# KiCad board sizif512.kicad_pcb
title: ZX-SIZIF-512; date: 2022-01-22; rev: E; company: Eugene Lozovoy
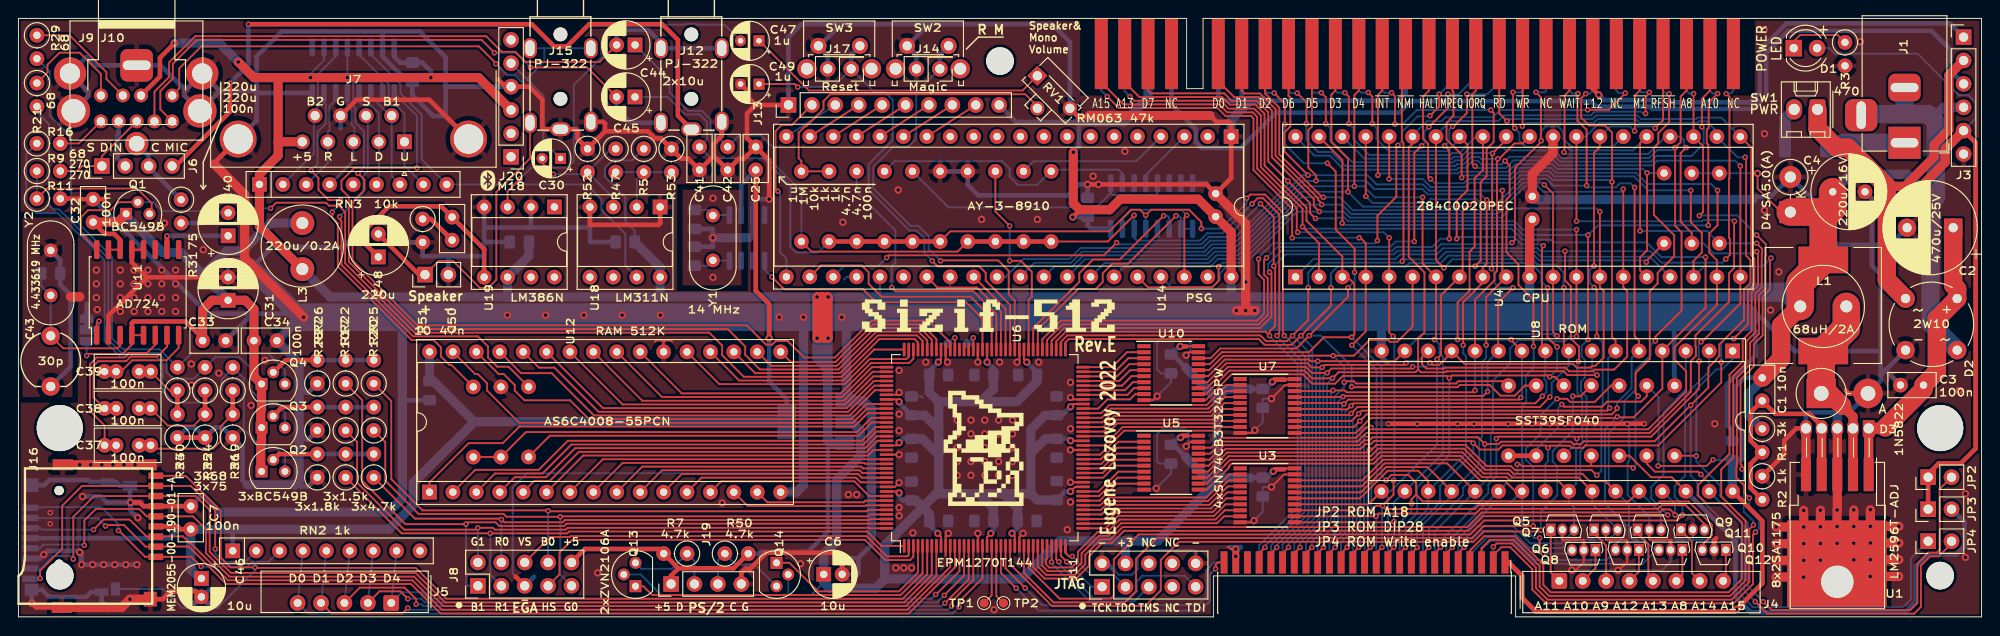
[diagram p0: board, top side]
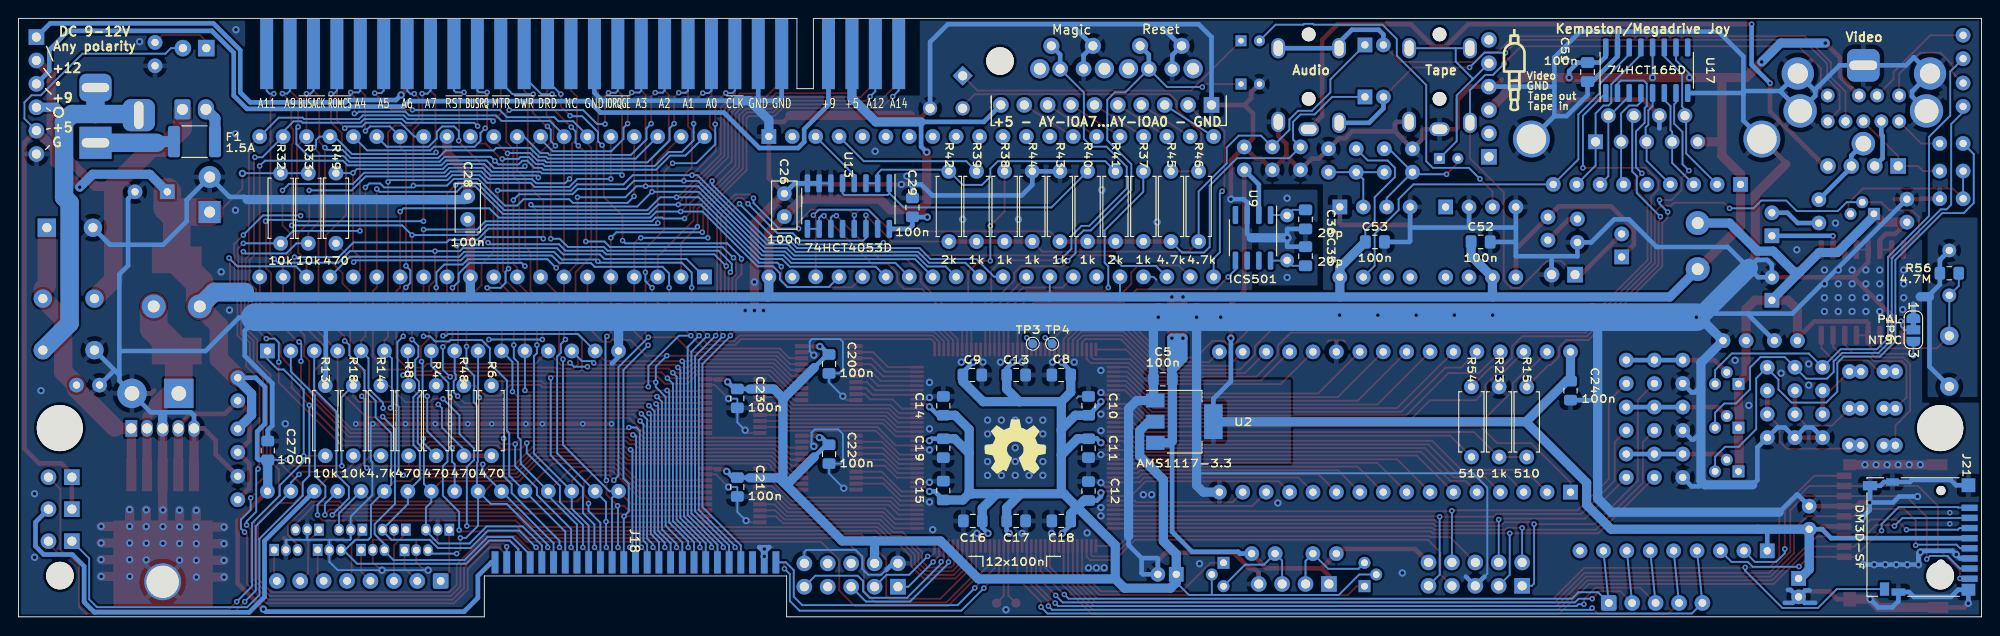
[diagram p1: board, bottom side, seen from below]

Outline 213 x 65 mm; copper layers: Top, Bottom. Coordinates in mm from the lower left corner of the outline.
Outline path: 0,65 126.75,65 126.75,57.37 128.53,57.37 128.53,65 213,65 213,0 162.45,0 162.45,4.45 129.65,4.45 129.65,0 0,0 0,65
Stack: Top 0.035mm / dielectric 1.51mm FR4 er 4.5 / Bottom 0.035mm

## Placement (name value [footprint] x y rotation side)
C1  10n  [C_Disc_D5.0mm_W2.5mm_P2.50mm]  189.2 25.97 270 top
C2  470u/25V  [CP_Radial_D10.0mm_P5.00mm]  209.92 42.27 180 top
C3  100n  [C_Disc_D5.0mm_W2.5mm_P2.50mm]  206.7 25.17 180 top
C4  220u/16V  [CP_Radial_D8.0mm_P3.50mm]  196.85 46.17 0 top
C5  100n  [C_0805_2012Metric_Pad1.15x1.40mm_HandSolder]  88.83 25.8 180 bottom
C6  10u  [CP_Radial_D5.0mm_P2.00mm]  87.38 4.62 0 top
C7  100n  [C_Disc_D5.0mm_W2.5mm_P2.50mm]  18.7 12.02 270 top
C8  100n  [C_0805_2012Metric_Pad1.15x1.40mm_HandSolder]  99.85 26.27 0 bottom
C9  100n  [C_0805_2012Metric_Pad1.15x1.40mm_HandSolder]  109.5 26.27 180 bottom
C10  100n  [C_0805_2012Metric_Pad1.15x1.40mm_HandSolder]  96.9 22.92 90 bottom
C11  100n  [C_0805_2012Metric_Pad1.15x1.40mm_HandSolder]  96.9 18.32 270 bottom
C12  100n  [C_0805_2012Metric_Pad1.15x1.40mm_HandSolder]  96.9 13.67 90 bottom
C13  100n  [C_0805_2012Metric_Pad1.15x1.40mm_HandSolder]  104.75 26.27 180 bottom
C14  100n  [C_0805_2012Metric_Pad1.15x1.40mm_HandSolder]  112.65 22.92 90 bottom
C15  100n  [C_0805_2012Metric_Pad1.15x1.40mm_HandSolder]  112.65 13.72 90 bottom
C16  100n  [C_0805_2012Metric_Pad1.15x1.40mm_HandSolder]  109.45 10.42 0 bottom
C17  100n  [C_0805_2012Metric_Pad1.15x1.40mm_HandSolder]  104.75 10.42 180 bottom
C18  100n  [C_0805_2012Metric_Pad1.15x1.40mm_HandSolder]  99.85 10.42 0 bottom
C19  100n  [C_0805_2012Metric_Pad1.15x1.40mm_HandSolder]  112.65 18.32 270 bottom
C20  100n  [C_0805_2012Metric_Pad1.15x1.40mm_HandSolder]  125.05 27.47 270 bottom
C21  100n  [C_0805_2012Metric_Pad1.15x1.40mm_HandSolder]  135 14.1 270 bottom
C22  100n  [C_0805_2012Metric_Pad1.15x1.40mm_HandSolder]  125.05 17.67 270 bottom
C23  100n  [C_0805_2012Metric_Pad1.15x1.40mm_HandSolder]  135 23.73 270 bottom
C24  100n  [C_0805_2012Metric_Pad1.15x1.40mm_HandSolder]  44.6 24.57 90 bottom
C25  100n  [C_Disc_D5.0mm_W2.5mm_P2.50mm]  80 51.04 270 top
C26  100n  [C_Disc_D5.0mm_W2.5mm_P2.50mm]  129.9 45.97 270 bottom
C27  100n  [C_0805_2012Metric_Pad1.15x1.40mm_HandSolder]  185.95 18.07 270 bottom
C28  100n  [C_Disc_D5.0mm_W2.5mm_P2.50mm]  164.25 45.67 270 bottom
C29  100n  [C_0805_2012Metric_Pad1.15x1.40mm_HandSolder]  116 44.47 270 bottom
C30  1u  [CP_Radial_D4.0mm_P2.00mm]  58.82 49.79 180 top
C31  220u  [CP_Radial_D6.3mm_P2.50mm]  22.75 34.39 90 top
C32  100n  [C_Disc_D5.0mm_W2.5mm_P2.50mm]  8.1 45.37 270 top
C33  100n  [C_Disc_D5.0mm_W2.5mm_P2.50mm]  22.48 30 180 top
C34  100n  [C_Disc_D5.0mm_W2.5mm_P2.50mm]  28.05 30 180 top
C35  20p  [C_0805_2012Metric_Pad1.18x1.45mm_HandSolder]  73.35 39.17 270 bottom
C36  20p  [C_0805_2012Metric_Pad1.18x1.45mm_HandSolder]  73.35 43.17 90 bottom
C37  100n  [C_Rect_L7.0mm_W3.5mm_P2.50mm_P5.00mm]  14.35 18.64 180 top
C38  100n  [C_Rect_L7.0mm_W3.5mm_P2.50mm_P5.00mm]  14.35 22.64 180 top
C39  100n  [C_Rect_L7.0mm_W3.5mm_P2.50mm_P5.00mm]  14.34 26.65 180 top
C40  220u  [CP_Radial_D6.3mm_P2.50mm]  22.75 41.39 90 top
C41  4.7n  [C_Disc_D5.0mm_W2.5mm_P2.50mm]  73.9 48.54 90 top
C42  4.7n  [C_Disc_D5.0mm_W2.5mm_P2.50mm]  76.95 48.54 90 top
C43  30p  [C_Trim_D6.3mm_P5.50mm]  3.5 29.02 270 top
C44  10u  [CP_Radial_D5.0mm_P2.00mm]  66.91 62.12 180 top
C45  10u  [CP_Radial_D5.0mm_P2.00mm]  66.9 56.47 180 top
C46  10u  [CP_Radial_D5.0mm_P2.00mm]  19.85 4.17 270 top
C47  1u  [CP_Radial_D4.0mm_P2.00mm]  80.35 62.57 180 top
C48  220u  [CP_Radial_D6.3mm_P2.50mm]  39.05 39.09 90 top
C49  1u  [CP_Radial_D4.0mm_P2.00mm]  80.35 57.87 180 top
C50  47n  [C_Disc_D5.0mm_W2.5mm_P2.50mm]  47.05 43.42 270 top
C51  100n  [C_0805_2012Metric_Pad1.18x1.45mm_HandSolder]  42.75 59.17 90 bottom
C52  100n  [C_0805_2012Metric_Pad1.18x1.45mm_HandSolder]  54.35 40.72 0 bottom
C53  100n  [C_0805_2012Metric_Pad1.18x1.45mm_HandSolder]  65.82 40.72 0 bottom
D1  LED  [LED_D4.0mm]  192.62 61.77 0 top
D2  2W10  [Diode_Bridge_Round_D10.0mm]  204.75 28.97 90 top
D3  1N5822  [D_DO-201AD_P5.08mm_Vertical_AnodeUp]  195.6 24.27 0 top
D4  SA5.0(A)  [D_DO-15_P3.81mm_Vertical_KathodeUp]  192.25 43.97 90 top
F1  1.5A  [Fuse_1812_4532Metric_Pad1.30x3.40mm_HandSolder]  193.9 51.62 180 bottom
H1  MountingHole  [MountingHole_5mm_7mm_fence]  208.51 20.5 0 top
H2  MountingHole  [MountingHole_5mm_7mm_fence]  4.48 20.5 0 top
H3  MountingHole  [MountingHole_3mm]  106.5 60.37 0 top
H4  MountingHole  [MountingHole_3mm]  4.48 4.47 0 top
H5  MountingHole  [MountingHole_3mm]  208.5 4.47 0 top
J1  DS-210  [BarrelJack_Horizontal]  204.64 51.49 270 top
J2  Conn_02x28_Row_Letter_First  [ZX_EDGE]  151.78 61.13 0 top
J3  Pin header 1x6 Pitch=2.54mm  [PinHeader_1x06_P2.54mm_Vertical]  211.05 62.97 0 top
J4  DS1020-08  [FFC_FPC_1x08]  167.19 3.9 0 top
J5  DS1020-05  [FFC_FPC_1x05]  40.5 1.51 180 top
J6  Pin header 1x4 Pitch=2.54mm  [PinHeader_1x04_P2.54mm_Vertical]  9.05 48.97 90 top
J7  DB9-M  [DSUB-9_Male_Horizontal_P2.77x2.84mm_EdgePinOffset4.94mm_Housed_MountingHolesOffset7.48mm]  41.88 51.6 180 top
J8  Pin header 2x5 Pitch=2.54mm  [PinHeader_2x05_P2.54mm_Vertical]  49.85 3.37 90 top
J9  Mini-DIN-9  [minidin-9]  12.83 58.25 180 top
J10  RCJ-014  [CUI_RCJ-01X-WIDE]  12.83 58 0 top
J11  Pin header 2x5 Pitch=2.54mm  [PinHeader_2x05_P2.54mm_Vertical]  117.57 3.27 90 top
J12  -  [PJ-322]  73.01 59.66 0 top
J13  Pin header 1x10 Pitch=2.54mm  [PinHeader_1x10_P2.54mm_Vertical]  83.55 55.6 90 top
J14  Pin header 1x2 Pitch=2.54mm  [PinHeader_2x01_P2.54mm_Vertical]  99.97 59.52 180 top
J15  -  [PJ-322]  58.81 59.67 0 top
J16  MEM2055-00-190-01-A  [GCT-MEM2055-00-190-01-A]  15.71 8.77 90 top
J17  Pin header 1x2 Pitch=2.54mm  [PinHeader_2x01_P2.54mm_Vertical]  90.35 59.52 180 top
J18  Pin socket 3x25 or 2xPin socket 1x25 Pitch=1.27mm H=4.6mm  [PinHeader_2x25_P1.27mm_Edge_SMD]  146.05 3.67 270 top
J19  Pin header 1x4 Pitch=2.54mm  [PinHeader_1x04_P2.54mm_Vertical]  70.81 3.57 90 top
J20  Pin header 1x6 Pitch=2.54mm  [PinHeader_1x06_P2.54mm_Vertical]  53.45 49.97 180 top
J21  DM3D-SF  [microSD_HC_Hirose_DM3D-SF]  6.65 8.67 90 bottom
JP2  Jumper / Pin header 1x2 Pitch=2.54mm  [PinHeader_1x02_P2.54mm_Vertical]  207.2 15.17 90 top
JP3  Jumper / Pin header 1x2 Pitch=2.54mm  [PinHeader_1x02_P2.54mm_Vertical]  207.2 11.7 90 top
JP4  Jumper / Pin header 1x2 Pitch=2.54mm  [PinHeader_1x02_P2.54mm_Vertical]  207.2 8.22 90 top
JP6  Jumper_3_Bridged12  [SolderJumper-3_P1.3mm_Bridged12_RoundedPad1.0x1.5mm_NumberLabels]  7.4 31.17 270 bottom
L1  68uH/2A  [L_Radial_D8.7mm_P5.00mm_Fastron_07HCP]  198.33 33.72 180 top
L2  68uH/2A  [L_12x12mm_H8mm]  195.83 33.82 90 top
L3  220u/0.2A  [L_Radial_D8.7mm_P5.00mm_Fastron_07HCP]  30.8 37.77 90 top
LOGO1  graphic  [black-mage-12.5x8.6-r]  104.72 18.3 0 top
LOGO2  Logo_Open_Hardware_Small  [OSHW-Symbol_6.7x6mm_SilkScreen]  104.85 18.47 180 bottom
LOGO3  graphic  [jack35_4pin]  50.7 59.37 0 bottom
LOGO4  graphic  [bluetooth_small]  50.95 47.37 0 top
LOGO5  graphic  [sizif512]  105.05 31.97 0 top
LS1  Pin header 1x2 Pitch=2.54mm  [PinHeader_1x02_P2.54mm_Vertical]  44.11 37.17 90 top
Q1  BC549B  [TO-92]  11.68 43.77 0 top
Q2  BC549B  [TO-92]  26.37 15.8 0 top
Q3  BC549B  [TO-92]  26.37 20.55 0 top
Q4  BC549B  [TO-92]  26.37 25.3 0 top
Q5  2SA1175  [TO-92S]  166.25 9.47 0 top
Q6  2SA1175  [TO-92S]  171.11 7.24 180 top
Q7  2SA1175  [TO-92S]  170.96 9.47 0 top
Q8  2SA1175  [TO-92S]  175.82 7.27 180 top
Q9  2SA1175  [TO-92S]  175.68 9.47 0 top
Q10  2SA1175  [TO-92S]  180.54 7.27 180 top
Q11  2SA1175  [TO-92S]  180.39 9.47 0 top
Q12  2SA1175  [TO-92S]  185.25 7.27 180 top
Q13  ZVN2106A  [TO-92]  66.95 3.33 90 top
Q14  ZVN2106A  [TO-92]  82.25 5.87 270 top
R1  3k  [R_Axial_DIN0207_L6.3mm_D2.5mm_P2.54mm_Vertical]  189.2 20.42 270 top
R2  1k  [R_Axial_DIN0207_L6.3mm_D2.5mm_P2.54mm_Vertical]  189.2 15.27 270 top
R3  470  [R_Axial_DIN0207_L6.3mm_D2.5mm_P2.54mm_Vertical]  198.18 62.4 270 top
R4  470  [R_Axial_DIN0207_L6.3mm_D2.5mm_P7.62mm_Horizontal]  167.68 25.12 270 bottom
R5  1k  [R_Axial_DIN0207_L6.3mm_D2.5mm_P2.54mm_Vertical]  67.85 50.84 270 top
R6  470  [R_Axial_DIN0207_L6.3mm_D2.5mm_P7.62mm_Horizontal]  161.68 25.12 270 bottom
R7  4.7k  [R_Axial_DIN0207_L6.3mm_D2.5mm_P2.54mm_Vertical]  72.55 6.87 180 top
R8  470  [R_Axial_DIN0207_L6.3mm_D2.5mm_P7.62mm_Horizontal]  170.65 25.12 270 bottom
R9  270  [R_Axial_DIN0207_L6.3mm_D2.5mm_P2.54mm_Vertical]  2 48.42 0 top
R10  1.5k  [R_Axial_DIN0207_L6.3mm_D2.5mm_P2.54mm_Vertical]  35.5 15.15 90 top
R11  270  [R_Axial_DIN0207_L6.3mm_D2.5mm_P2.54mm_Vertical]  2 45.42 0 top
R12  4.7k  [R_Axial_DIN0207_L6.3mm_D2.5mm_P2.54mm_Vertical]  38.55 15.15 90 top
R13  10k  [R_Axial_DIN0207_L6.3mm_D2.5mm_P7.62mm_Horizontal]  179.7 25.12 270 bottom
R14  4.7k  [R_Axial_DIN0207_L6.3mm_D2.5mm_P7.62mm_Horizontal]  173.68 25.12 270 bottom
R15  510  [R_Axial_DIN0207_L6.3mm_D2.5mm_P7.62mm_Horizontal]  49.35 24.98 270 bottom
R16  68  [R_Axial_DIN0207_L6.3mm_D2.5mm_P2.54mm_Vertical]  2 51.42 0 top
R17  1.5k  [R_Axial_DIN0207_L6.3mm_D2.5mm_P2.54mm_Vertical]  35.5 20.25 90 top
R18  10k  [R_Axial_DIN0207_L6.3mm_D2.5mm_P7.62mm_Horizontal]  176.68 25.12 270 bottom
R19  68  [R_Axial_DIN0207_L6.3mm_D2.5mm_P2.54mm_Vertical]  23.25 24.57 90 top
R20  4.7k  [R_Axial_DIN0207_L6.3mm_D2.5mm_P2.54mm_Vertical]  38.55 20.25 90 top
R21  68  [R_Axial_DIN0207_L6.3mm_D2.5mm_P2.54mm_Vertical]  2 57.98 270 top
R22  1.5k  [R_Axial_DIN0207_L6.3mm_D2.5mm_P2.54mm_Vertical]  35.5 25.35 90 top
R23  1k  [R_Axial_DIN0207_L6.3mm_D2.5mm_P7.62mm_Horizontal]  52.35 24.98 270 bottom
R24  68  [R_Axial_DIN0207_L6.3mm_D2.5mm_P2.54mm_Vertical]  20.25 24.57 90 top
R25  4.7k  [R_Axial_DIN0207_L6.3mm_D2.5mm_P2.54mm_Vertical]  38.55 25.35 90 top
R26  1.8k  [R_Axial_DIN0207_L6.3mm_D2.5mm_P2.54mm_Vertical]  32.43 25.35 90 top
R27  1.8k  [R_Axial_DIN0207_L6.3mm_D2.5mm_P2.54mm_Vertical]  32.43 20.25 90 top
R28  1.8k  [R_Axial_DIN0207_L6.3mm_D2.5mm_P2.54mm_Vertical]  32.43 15.15 90 top
R29  68  [R_Axial_DIN0207_L6.3mm_D2.5mm_P2.54mm_Vertical]  2 63.17 270 top
R30  68  [R_Axial_DIN0207_L6.3mm_D2.5mm_P2.54mm_Vertical]  17.25 24.57 90 top
R31  75  [R_Axial_DIN0207_L6.3mm_D2.5mm_P2.54mm_Vertical]  17.65 45.32 270 top
R32  10k  [R_Axial_DIN0207_L6.3mm_D2.5mm_P7.62mm_Horizontal]  184.55 40.57 90 bottom
R33  10k  [R_Axial_DIN0207_L6.3mm_D2.5mm_P7.62mm_Horizontal]  181.55 40.57 90 bottom
R34  75  [R_Axial_DIN0207_L6.3mm_D2.5mm_P2.54mm_Vertical]  17.25 19.47 90 top
R35  75  [R_Axial_DIN0207_L6.3mm_D2.5mm_P2.54mm_Vertical]  20.25 19.47 90 top
R36  75  [R_Axial_DIN0207_L6.3mm_D2.5mm_P2.54mm_Vertical]  23.25 19.47 90 top
R37  1k  [R_Axial_DIN0207_L6.3mm_D2.5mm_P7.62mm_Horizontal]  90.95 40.77 90 bottom
R38  1k  [R_Axial_DIN0207_L6.3mm_D2.5mm_P7.62mm_Horizontal]  106 40.77 90 bottom
R39  1k  [R_Axial_DIN0207_L6.3mm_D2.5mm_P7.62mm_Horizontal]  109.05 40.77 90 bottom
R40  1k  [R_Axial_DIN0207_L6.3mm_D2.5mm_P7.62mm_Horizontal]  97 40.77 90 bottom
R41  2k  [R_Axial_DIN0207_L6.3mm_D2.5mm_P7.62mm_Horizontal]  93.97 40.77 90 bottom
R42  2k  [R_Axial_DIN0207_L6.3mm_D2.5mm_P7.62mm_Horizontal]  112.05 40.77 90 bottom
R43  1k  [R_Axial_DIN0207_L6.3mm_D2.5mm_P7.62mm_Horizontal]  100 40.77 90 bottom
R44  1k  [R_Axial_DIN0207_L6.3mm_D2.5mm_P7.62mm_Horizontal]  103 40.77 90 bottom
R45  4.7k  [R_Axial_DIN0207_L6.3mm_D2.5mm_P7.62mm_Horizontal]  87.95 40.77 90 bottom
R46  4.7k  [R_Axial_DIN0207_L6.3mm_D2.5mm_P7.62mm_Horizontal]  84.95 40.77 90 bottom
R47  10k  [R_Axial_DIN0207_L6.3mm_D2.5mm_P2.54mm_Vertical]  64.8 50.84 270 top
R48  470  [R_Axial_DIN0207_L6.3mm_D2.5mm_P7.62mm_Horizontal]  164.68 25.12 270 bottom
R49  470  [R_Axial_DIN0207_L6.3mm_D2.5mm_P7.62mm_Horizontal]  178.55 48.2 270 bottom
R50  4.7k  [R_Axial_DIN0207_L6.3mm_D2.5mm_P2.54mm_Vertical]  76.65 6.87 0 top
R51  10  [R_Axial_DIN0207_L6.3mm_D2.5mm_P2.54mm_Vertical]  43.85 43.22 270 top
R52  1M  [R_Axial_DIN0207_L6.3mm_D2.5mm_P2.54mm_Vertical]  61.75 50.84 270 top
R53  1k  [R_Axial_DIN0207_L6.3mm_D2.5mm_P2.54mm_Vertical]  70.85 50.84 270 top
R54  510  [R_Axial_DIN0207_L6.3mm_D2.5mm_P7.62mm_Horizontal]  55.35 17.37 90 bottom
R56  4.7M  [R_0805_2012Metric_Pad1.15x1.40mm_HandSolder]  3.5 37.32 180 bottom
RN2  1k  [R_Array_SIP9]  23.25 7.17 0 top
RN3  10k  [R_Array_SIP9]  26.15 46.97 0 top
RV1  RM063 47k  [Potentiometer_Runtron_RM-063_Horizontal]  110.55 58.77 315 top
SW1  Jumper / Pin header 1x2 Pitch=2.54mm  [Molex_KK-254_AE-6410-02A_1x02_P2.54mm_Vertical]  195.2 55.12 180 top
SW2  Button THT  [SW_Tactile_SPST_Angled_PTS645Vx83-2LFS]  96.42 62.02 0 top
SW3  Button THT  [SW_Tactile_SPST_Angled_PTS645Vx83-2LFS]  86.8 62.02 0 top
TP1  TestPoint  [TestPoint_Pad_D1.0mm]  104.77 1.5 0 top
TP2  TestPoint  [TestPoint_Pad_D1.0mm]  106.87 1.5 0 top
TP3  TestPoint  [TestPoint_Pad_D1.0mm]  102.95 29.67 0 bottom
TP4  TestPoint  [TestPoint_Pad_D1.0mm]  100.85 29.67 0 bottom
U1  LM2596T-ADJ  [TO-220-263-5_Horizontal_TabDown]  200.75 20.47 180 top
U2  AMS1117-3.3  [SOT-223-3_TabPin2]  86.5 21.2 180 bottom
U3  SN74CB3T3245PW  [TSSOP-20_4.4x6.5mm_P0.65mm]  135.5 13.2 0 top
U4  Z84C0020PEC  [DIP-40_W15.24mm_Socket]  138.56 36.92 90 top
U5  SN74CB3T3245PW  [TSSOP-20_4.4x6.5mm_P0.65mm]  125.08 16.75 0 top
U6  EPM1270T144  [LQFP-144_20x20mm_P0.5mm]  104.85 18.37 90 top
U7  SN74CB3T3245PW  [TSSOP-20_4.4x6.5mm_P0.65mm]  135.5 22.9 0 top
U8  SST39SF040  [DIP-32_W15.24mm_Socket]  185.99 28.88 270 top
U9  ICS501  [SOIC-8_3.9x4.9mm_P1.27mm]  79.05 41.17 270 bottom
U10  SN74CB3T3245PW  [TSSOP-20_4.4x6.5mm_P0.65mm]  125.08 26.47 0 top
U11  AD724  [SOIC-16W_7.5x10.3mm_P1.27mm]  12.94 35.24 90 top
U12  AS6C4008-55PCN  [DIP-32_W15.24mm_Socket]  44.6 13.55 90 top
U13  74HCT4053D  [SOIC-16_3.9x9.9mm_P1.27mm]  122.95 44.62 270 bottom
U14  AY-3-8910  [DIP-40_W15.24mm_Socket]  131.58 52.17 270 top
U17  74HCT165D  [SOIC-16_3.9x9.9mm_P1.27mm]  36.33 59.37 90 bottom
U18  LM311N  [DIP-8_W7.62mm_Socket]  69.62 44.52 270 top
U19  LM386N  [DIP-8_W7.62mm_Socket]  58.15 44.52 270 top
Y1  14 MHz  [Crystal_HC49-U_Vertical]  75.35 38.72 90 top
Y2  4.433619 MHz  [Crystal_HC49-U_Vertical]  3.5 34.92 90 top

## Library data of the parts
J1 = -: Desc: DC IN
J2 = -: Desc: EDGE_CONNECTOR
J4 = -: Desc: KB_A
J5 = -: Desc: KB_D
J7 = -: Desc: Joystick
J8 = -: Desc: EGA_HDR
J11 = -: Desc: JTAG
J12 = -: Desc: MIC
J13 = -: Desc: AY_IOA
J15 = -: Desc: EAR
J19 = -: Desc: PS/2
J20 = -: Desc: M18
J21 = -: Field4: KEEPOUT; Field5: KEEPOUT
LOGO1 = -: Desc: Logo
LOGO3 = -: Desc: Tape
LOGO4 = -: Desc: Bluetooth
LOGO5 = -: Desc: Name
SW2 = -: Comment: CPLD's 5-25k pullup; Desc: MAGIC
SW3 = -: Comment: CPLD's 5-25k pullup; Desc: RST
U3 = -: Comment: No-delay level translator

## Footprints (pads in the part's own frame, mm; a bottom-side part is the same pattern mirrored in y, then rotated)
BarrelJack_Horizontal
  rect 3.5x3.5 hole 1x3: 1(0,0)
  rrect 3x3.5 hole 1x3: 2(-6,0)
  rrect 3.5x3.5 hole 3x1: 3(-3,-4.7)
C_0805_2012Metric_Pad1.15x1.40mm_HandSolder
  rrect 1.15x1.4 smd: 1(-1.025,0) 2(1.025,0)
C_0805_2012Metric_Pad1.18x1.45mm_HandSolder
  rrect 1.175x1.45 smd: 1(-1.038,0) 2(1.038,0)
C_Disc_D5.0mm_W2.5mm_P2.50mm
  round 1.6 hole 0.8: 1(0,0) 2(2.5,0)
C_Rect_L7.0mm_W3.5mm_P2.50mm_P5.00mm
  round 1.6 hole 0.8: 1(0,0) 1(1.25,0) 2(3.75,0) 2(5,0)
C_Trim_D6.3mm_P5.50mm
  round 2 hole 1: 1(-1.5,0) 2(4,0)
CP_Radial_D4.0mm_P2.00mm
  rect 1.2x1.2 hole 0.6: 1(0,0)
  round 1.2 hole 0.6: 2(2,0)
CP_Radial_D5.0mm_P2.00mm
  rect 1.6x1.6 hole 0.8: 1(0,0)
  round 1.6 hole 0.8: 2(2,0)
CP_Radial_D6.3mm_P2.50mm
  rect 1.6x1.6 hole 0.8: 1(0,0)
  round 1.6 hole 0.8: 2(2.5,0)
CP_Radial_D8.0mm_P3.50mm
  rect 1.6x1.6 hole 0.8: 1(0,0)
  round 1.6 hole 0.8: 2(3.5,0)
CP_Radial_D10.0mm_P5.00mm
  rect 2x2 hole 1: 1(0,0)
  round 2 hole 1: 2(5,0)
Crystal_HC49-U_Vertical
  round 1.5 hole 0.8: 1(0,0) 2(4.88,0)
CUI_RCJ-01X-WIDE
  round 2.55 hole 1.7: 1(0,-6.604)
  round 3.616 hole 2.6: 2(-6.858,-3.048) 2(6.858,-3.048)
  rrect 3.5x3.5 hole 3x1: 2(0,1.905)
D_DO-15_P3.81mm_Vertical_KathodeUp
  rect 2.4x2.4 hole 1.2: 1(0,0)
  oval 2.4x2.4 hole 1.2: 2(3.81,0)
D_DO-201AD_P5.08mm_Vertical_AnodeUp
  rect 3.2x3.2 hole 1.6: 1(0,0)
  oval 3.2x3.2 hole 1.6: 2(5.08,0)
Diode_Bridge_Round_D10.0mm
  round 2 hole 1: 1(0,0)
  oval 2x2 hole 1: 2(0,-5.6) 3(5.6,-5.6) 4(5.6,0)
DIP-8_W7.62mm_Socket
  rect 1.6x1.6 hole 0.8: 1(0,0)
  oval 1.6x1.6 hole 0.8: 2(0,-2.54) 3(0,-5.08) 4(0,-7.62) 5(7.62,-7.62) 6(7.62,-5.08) 7(7.62,-2.54) 8(7.62,0)
DIP-32_W15.24mm_Socket
  rect 1.6x1.6 hole 0.8: 1(0,0)
  oval 1.6x1.6 hole 0.8: 2(0,-2.54) 3(0,-5.08) 4(0,-7.62) 5(0,-10.16) 6(0,-12.7) 7(0,-15.24) 8(0,-17.78) 9(0,-20.32) 10(0,-22.86) 11(0,-25.4) 12(0,-27.94) 13(0,-30.48) 14(0,-33.02) 15(0,-35.56) 16(0,-38.1) 17(15.24,-38.1) 18(15.24,-35.56) 19(15.24,-33.02) 20(15.24,-30.48) 21(15.24,-27.94) 22(15.24,-25.4) 23(15.24,-22.86) 24(15.24,-20.32) 25(15.24,-17.78) 26(15.24,-15.24) 27(15.24,-12.7) 28(15.24,-10.16) 29(15.24,-7.62) 30(15.24,-5.08) 31(15.24,-2.54) 32(15.24,0)
DIP-40_W15.24mm_Socket
  rect 1.6x1.6 hole 0.8: 1(0,0)
  oval 1.6x1.6 hole 0.8: 2(0,-2.54) 3(0,-5.08) 4(0,-7.62) 5(0,-10.16) 6(0,-12.7) 7(0,-15.24) 8(0,-17.78) 9(0,-20.32) 10(0,-22.86) 11(0,-25.4) 12(0,-27.94) 13(0,-30.48) 14(0,-33.02) 15(0,-35.56) 16(0,-38.1) 17(0,-40.64) 18(0,-43.18) 19(0,-45.72) 20(0,-48.26) 21(15.24,-48.26) 22(15.24,-45.72) 23(15.24,-43.18) 24(15.24,-40.64) 25(15.24,-38.1) 26(15.24,-35.56) 27(15.24,-33.02) 28(15.24,-30.48) 29(15.24,-27.94) 30(15.24,-25.4) 31(15.24,-22.86) 32(15.24,-20.32) 33(15.24,-17.78) 34(15.24,-15.24) 35(15.24,-12.7) 36(15.24,-10.16) 37(15.24,-7.62) 38(15.24,-5.08) 39(15.24,-2.54) 40(15.24,0)
DSUB-9_Male_Horizontal_P2.77x2.84mm_EdgePinOffset4.94mm_Housed_MountingHolesOffset7.48mm
  round 4 hole 3.2: 0(-6.96,-0.3) 0(18.04,-0.3)
  rect 1.6x1.6 hole 1: 1(0,0)
  round 1.6 hole 1: 2(2.77,0) 3(5.54,0) 4(8.31,0) 5(11.08,0) 6(1.385,-2.84) 7(4.155,-2.84) 8(6.925,-2.84) 9(9.695,-2.84)
FFC_FPC_1x05
  rrect 1.7x1.7 hole 0.85: 1(0.05,0)
  round 1.7 hole 0.85: 2(2.59,0) 3(5.13,0) 4(7.67,0) 5(10.21,0)
FFC_FPC_1x08
  rrect 1.7x1.7 hole 0.85: 1(0,0)
  round 1.7 hole 0.85: 2(2.54,0) 3(5.08,0) 4(7.62,0) 5(10.16,0) 6(12.7,0) 7(15.24,0) 8(17.78,0)
Fuse_1812_4532Metric_Pad1.30x3.40mm_HandSolder
  rrect 1.3x3.4 smd: 1(-2.225,0) 2(2.225,0)
GCT-MEM2055-00-190-01-A
  round 1 hole 1 unplated: (-3.05,11.3) (4.95,11.3)
  rect 0.7x1.6 smd: 1(-2.25,0.8) 2(-1.15,0.8) 3(-0.05,0.8) 4(1.05,0.8) 5(2.15,0.8) 6(3.25,0.8) 7(4.35,0.8) 8(5.45,0.8) 9(6.55,0.8)
  rect 1.2x1.4 smd: 10(7.75,1.4)
  rect 1.2x2.2 smd: 11(-7.75,11) 11(7.75,10.9)
  rect 1.6x1.4 smd: 11(-6.85,1.4)
L_12x12mm_H8mm
  rect 2.9x5.4 smd: 1(-4.95,0) 2(4.95,0)
L_Radial_D8.7mm_P5.00mm_Fastron_07HCP
  round 2.6 hole 1.3: 1(0,0) 2(5,0)
LED_D4.0mm
  rect 1.8x1.8 hole 0.9: 1(0,0)
  round 1.8 hole 0.9: 2(2.54,0)
LQFP-144_20x20mm_P0.5mm
  rrect 1.475x0.3 smd: 1(-10.662,8.75) 2(-10.662,8.25) 3(-10.662,7.75) 4(-10.662,7.25) 5(-10.662,6.75) 6(-10.662,6.25) 7(-10.662,5.75) 8(-10.662,5.25) 9(-10.662,4.75) 10(-10.662,4.25) 11(-10.662,3.75) 12(-10.662,3.25) 13(-10.662,2.75) 14(-10.662,2.25) 15(-10.662,1.75) 16(-10.662,1.25) 17(-10.662,0.75) 18(-10.662,0.25) 19(-10.662,-0.25) 20(-10.662,-0.75) 21(-10.662,-1.25) 22(-10.662,-1.75) 23(-10.662,-2.25) 24(-10.662,-2.75) 25(-10.662,-3.25) 26(-10.662,-3.75) 27(-10.662,-4.25) 28(-10.662,-4.75) 29(-10.662,-5.25) 30(-10.662,-5.75) 31(-10.662,-6.25) 32(-10.662,-6.75) 33(-10.662,-7.25) 34(-10.662,-7.75) 35(-10.662,-8.25) 36(-10.662,-8.75) 73(10.662,-8.75) 74(10.662,-8.25) 75(10.662,-7.75) 76(10.662,-7.25) 77(10.662,-6.75) 78(10.662,-6.25) 79(10.662,-5.75) 80(10.662,-5.25) 81(10.662,-4.75) 82(10.662,-4.25) 83(10.662,-3.75) 84(10.662,-3.25) 85(10.662,-2.75) 86(10.662,-2.25) 87(10.662,-1.75) 88(10.662,-1.25) 89(10.662,-0.75) 90(10.662,-0.25) 91(10.662,0.25) 92(10.662,0.75) 93(10.662,1.25) 94(10.662,1.75) 95(10.662,2.25) 96(10.662,2.75) 97(10.662,3.25) 98(10.662,3.75) 99(10.662,4.25) 100(10.662,4.75) 101(10.662,5.25) 102(10.662,5.75) 103(10.662,6.25) 104(10.662,6.75) 105(10.662,7.25) 106(10.662,7.75) 107(10.662,8.25) 108(10.662,8.75)
  rrect 0.3x1.475 smd: 37(-8.75,-10.662) 38(-8.25,-10.662) 39(-7.75,-10.662) 40(-7.25,-10.662) 41(-6.75,-10.662) 42(-6.25,-10.662) 43(-5.75,-10.662) 44(-5.25,-10.662) 45(-4.75,-10.662) 46(-4.25,-10.662) 47(-3.75,-10.662) 48(-3.25,-10.662) 49(-2.75,-10.662) 50(-2.25,-10.662) 51(-1.75,-10.662) 52(-1.25,-10.662) 53(-0.75,-10.662) 54(-0.25,-10.662) 55(0.25,-10.662) 56(0.75,-10.662) 57(1.25,-10.662) 58(1.75,-10.662) 59(2.25,-10.662) 60(2.75,-10.662) 61(3.25,-10.662) 62(3.75,-10.662) 63(4.25,-10.662) 64(4.75,-10.662) 65(5.25,-10.662) 66(5.75,-10.662) 67(6.25,-10.662) 68(6.75,-10.662) 69(7.25,-10.662) 70(7.75,-10.662) 71(8.25,-10.662) 72(8.75,-10.662) 109(8.75,10.662) 110(8.25,10.662) 111(7.75,10.662) 112(7.25,10.662) 113(6.75,10.662) 114(6.25,10.662) 115(5.75,10.662) 116(5.25,10.662) 117(4.75,10.662) 118(4.25,10.662) 119(3.75,10.662) 120(3.25,10.662) 121(2.75,10.662) 122(2.25,10.662) 123(1.75,10.662) 124(1.25,10.662) 125(0.75,10.662) 126(0.25,10.662) 127(-0.25,10.662) 128(-0.75,10.662) 129(-1.25,10.662) 130(-1.75,10.662) 131(-2.25,10.662) 132(-2.75,10.662) 133(-3.25,10.662) 134(-3.75,10.662) 135(-4.25,10.662) 136(-4.75,10.662) 137(-5.25,10.662) 138(-5.75,10.662) 139(-6.25,10.662) 140(-6.75,10.662) 141(-7.25,10.662) 142(-7.75,10.662) 143(-8.25,10.662) 144(-8.75,10.662)
microSD_HC_Hirose_DM3D-SF
  rect 0.7x1.75 smd: 1(3.175,-5.35) 2(2.075,-5.35) 3(0.975,-5.35) 4(-0.125,-5.35) 5(-1.225,-5.35) 6(-2.325,-5.35) 7(-3.425,-5.35) 8(-4.525,-5.35)
  rect 1.45x1 smd: 9(-5.65,3.875)
  rect 1x1.55 smd: 10(5.575,5.45)
  rect 0.8x1.5 smd: 11(-5.975,2.375)
  rect 1.3x1.5 smd: 11(-5.725,-5.225)
  rect 1.5x1.5 smd: 11(5.625,-5.225)
  rect 0.8x1.4 smd: 11(5.975,3.025)
minidin-9
  round 3.5 hole 2.2: 0(-7.112,-0.762) 0(7.239,-0.762)
  rrect 3.5x3.5 hole 3x1: 0(0,-1.651)
  round 1.501 hole 0.899: 1(1.499,1.626) 2(-0.47,1.626) 3(3.886,1.626) 4(1.956,4.437) 5(0,4.437) 6(-3.861,1.626) 7(3.886,4.437) 8(-1.93,4.437) 9(-3.861,4.437)
Molex_KK-254_AE-6410-02A_1x02_P2.54mm_Vertical
  rrect 1.74x2.2 hole 1.2: 1(0,0)
  oval 1.74x2.2 hole 1.2: 2(2.54,0)
MountingHole_3mm
  round 3 hole 3 unplated: (0,0)
MountingHole_5mm_7mm_fence
  round 5 hole 5 unplated: (0,0)
PinHeader_1x02_P2.54mm_Vertical
  rect 1.7x1.7 hole 1: 1(0,0)
  oval 1.7x1.7 hole 1: 2(0,-2.54)
PinHeader_1x04_P2.54mm_Vertical
  rect 1.7x1.7 hole 1: 1(0,0)
  oval 1.7x1.7 hole 1: 2(0,-2.54) 3(0,-5.08) 4(0,-7.62)
PinHeader_1x06_P2.54mm_Vertical
  rect 1.7x1.7 hole 1: 1(0,0)
  oval 1.7x1.7 hole 1: 2(0,-2.54) 3(0,-5.08) 4(0,-7.62) 5(0,-10.16) 6(0,-12.7)
PinHeader_1x10_P2.54mm_Vertical
  rect 1.7x1.7 hole 1: 1(0,0)
  oval 1.7x1.7 hole 1: 2(0,-2.54) 3(0,-5.08) 4(0,-7.62) 5(0,-10.16) 6(0,-12.7) 7(0,-15.24) 8(0,-17.78) 9(0,-20.32) 10(0,-22.86)
PinHeader_2x01_P2.54mm_Vertical
  round 1.7 hole 1: 1(0,0)
  oval 1.7x1.7 hole 1: 2(2.54,0)
PinHeader_2x05_P2.54mm_Vertical
  rect 1.7x1.7 hole 1: 1(0,0)
  oval 1.7x1.7 hole 1: 2(2.54,0) 3(0,-2.54) 4(2.54,-2.54) 5(0,-5.08) 6(2.54,-5.08) 7(0,-7.62) 8(2.54,-7.62) 9(0,-10.16) 10(2.54,-10.16)
PinHeader_2x25_P1.27mm_Edge_SMD
  rect 2.4x0.74 smd: 1(-2.25,15.24) 3(-2.25,13.97) 5(-2.25,12.7) 7(-2.25,11.43) 9(-2.25,10.16) 11(-2.25,8.89) 13(-2.25,7.62) 15(-2.25,6.35) 17(-2.25,5.08) 19(-2.25,3.81) 21(-2.25,2.54) 23(-2.25,1.27) 25(-2.25,0) 27(-2.25,-1.27) 29(-2.25,-2.54) 31(-2.25,-3.81) 33(-2.25,-5.08) 35(-2.25,-6.35) 37(-2.25,-7.62) 39(-2.25,-8.89) 41(-2.25,-10.16) 43(-2.25,-11.43) 45(-2.25,-12.7) 47(-2.25,-13.97) 49(-2.25,-15.24)
  rect 2.4x0.74 smd far side: 2(-2.25,15.24) 4(-2.25,13.97) 6(-2.25,12.7) 8(-2.25,11.43) 10(-2.25,10.16) 12(-2.25,8.89) 14(-2.25,7.62) 16(-2.25,6.35) 18(-2.25,5.08) 20(-2.25,3.81) 22(-2.25,2.54) 24(-2.25,1.27) 26(-2.25,0) 28(-2.25,-1.27) 30(-2.25,-2.54) 32(-2.25,-3.81) 34(-2.25,-5.08) 36(-2.25,-6.35) 38(-2.25,-7.62) 40(-2.25,-8.89) 42(-2.25,-10.16) 44(-2.25,-11.43) 46(-2.25,-12.7) 48(-2.25,-13.97) 50(-2.25,-15.24)
PJ-322
  round 1.5 hole 1.5 unplated: (0,3.6) (0,-3.4)
  oval 1.5x2.2 hole 1x1.7: R1(-3.3,-6) R2(3.3,-5.9) T(-3.3,2.1) T(3.3,2.1)
  oval 2.2x1.5 hole 1.7x1: S(0,-6.7)
Potentiometer_Runtron_RM-063_Horizontal
  rect 1.55x1.55 hole 1: 1(0,0)
  round 1.55 hole 1: 2(2.5,-2.5) 3(5,0)
R_0805_2012Metric_Pad1.15x1.40mm_HandSolder
  rrect 1.15x1.4 smd: 1(-1.025,0) 2(1.025,0)
R_Array_SIP9
  rect 1.6x1.6 hole 0.8: 1(0,0)
  oval 1.6x1.6 hole 0.8: 2(2.54,0) 3(5.08,0) 4(7.62,0) 5(10.16,0) 6(12.7,0) 7(15.24,0) 8(17.78,0) 9(20.32,0)
R_Axial_DIN0207_L6.3mm_D2.5mm_P2.54mm_Vertical
  round 1.6 hole 0.8: 1(0,0)
  oval 1.6x1.6 hole 0.8: 2(2.54,0)
R_Axial_DIN0207_L6.3mm_D2.5mm_P7.62mm_Horizontal
  round 1.6 hole 0.8: 1(0,0)
  oval 1.6x1.6 hole 0.8: 2(7.62,0)
SOIC-8_3.9x4.9mm_P1.27mm
  rrect 1.95x0.6 smd: 1(-2.475,1.905) 2(-2.475,0.635) 3(-2.475,-0.635) 4(-2.475,-1.905) 5(2.475,-1.905) 6(2.475,-0.635) 7(2.475,0.635) 8(2.475,1.905)
SOIC-16_3.9x9.9mm_P1.27mm
  rrect 1.95x0.6 smd: 1(-2.475,4.445) 2(-2.475,3.175) 3(-2.475,1.905) 4(-2.475,0.635) 5(-2.475,-0.635) 6(-2.475,-1.905) 7(-2.475,-3.175) 8(-2.475,-4.445) 9(2.475,-4.445) 10(2.475,-3.175) 11(2.475,-1.905) 12(2.475,-0.635) 13(2.475,0.635) 14(2.475,1.905) 15(2.475,3.175) 16(2.475,4.445)
SOIC-16W_7.5x10.3mm_P1.27mm
  rrect 2.05x0.6 smd: 1(-4.65,4.445) 2(-4.65,3.175) 3(-4.65,1.905) 4(-4.65,0.635) 5(-4.65,-0.635) 6(-4.65,-1.905) 7(-4.65,-3.175) 8(-4.65,-4.445) 9(4.65,-4.445) 10(4.65,-3.175) 11(4.65,-1.905) 12(4.65,-0.635) 13(4.65,0.635) 14(4.65,1.905) 15(4.65,3.175) 16(4.65,4.445)